# Altium PCB fpga.PcbDoc (part 2 of 11)
Units mm, origin at the board's own origin, x right, y up, seen from the top; angles counter-clockwise.
Board outline 210 x 210 mm, 2 copper layers (Top Layer, Bottom Layer), stack 1.591 mm thick; 639 components, 1839 nets, 4759 pads, 4016 vias.
Unrouted connection lines stored in the file: 10.
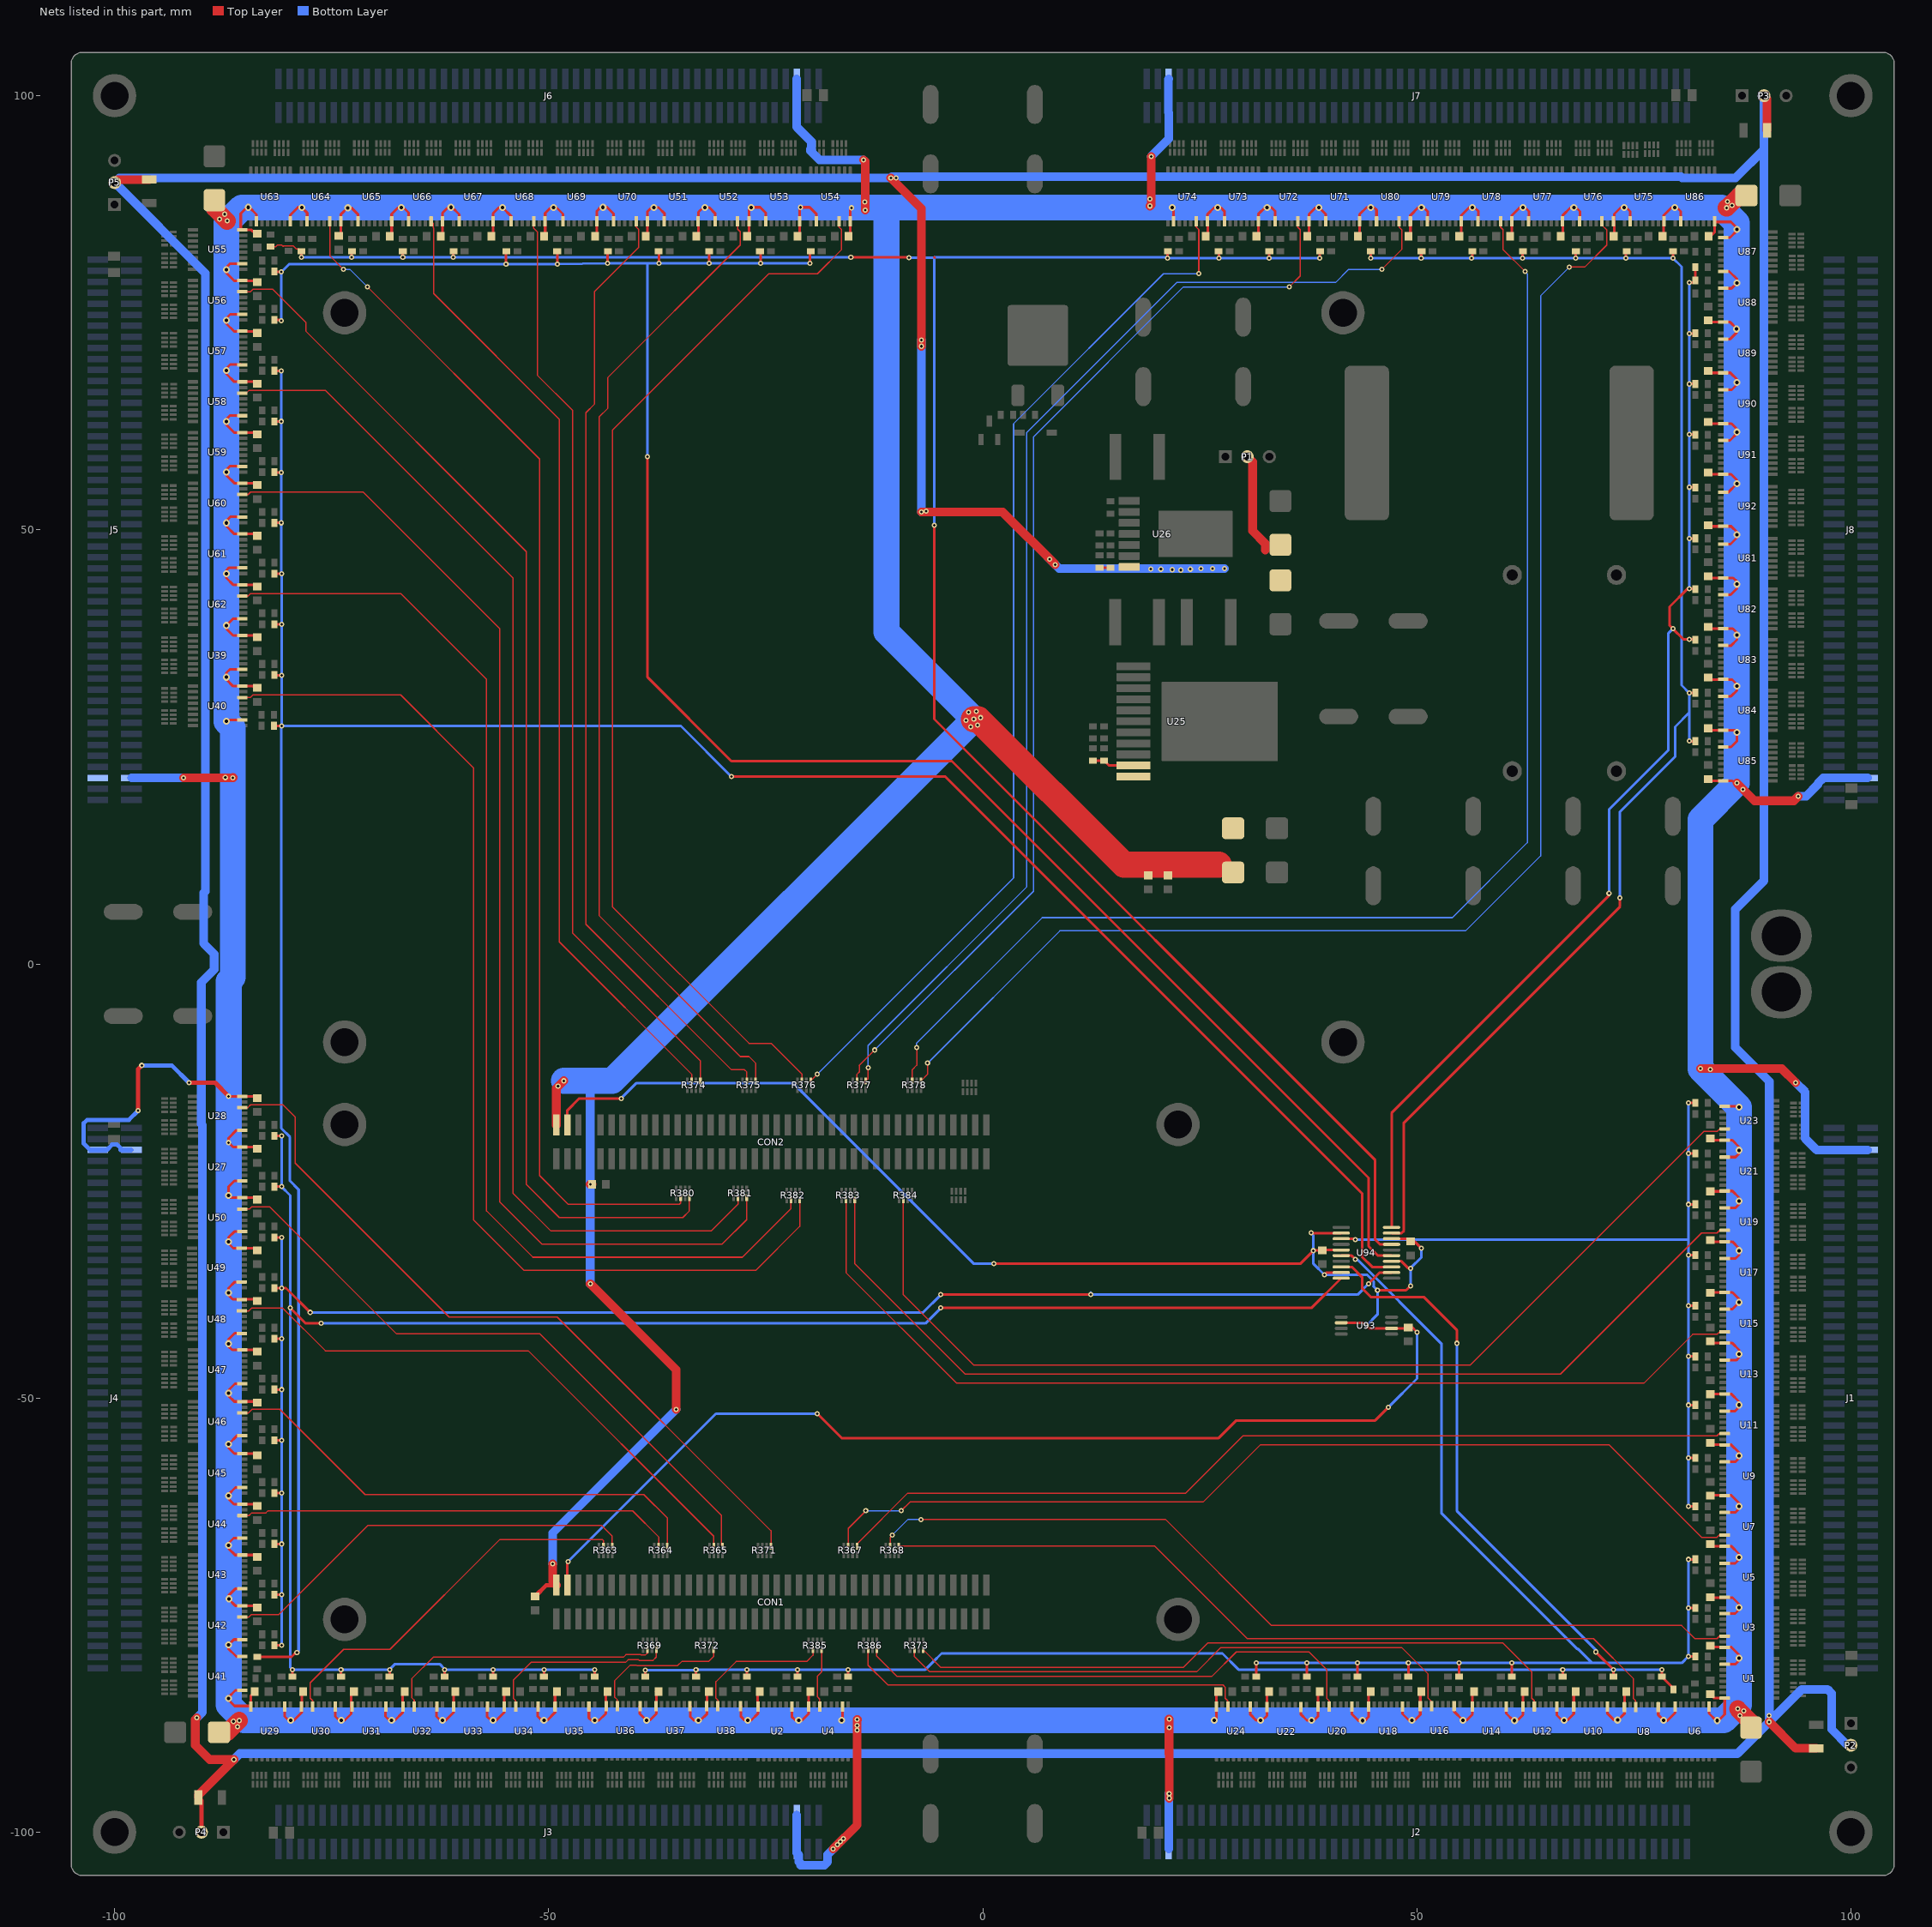
[diagram p2: the nets of this part, all layers, seen from the top]

## Part data
C1 C2 C3 C4 C5 C6 C7 C8 C9 C10 C11 C12 C13 C14 C15 C16 C17 C18 C19 C20 C21 C22 C23 C24 C25 C26 C27 C28 C29 C30 C31 C32 C33 C34 C35 C36 C37 C38 C39 C40 C41 C42 C43 C44 C45 C46 C47 C48 C49 C50 C51 C52 C53 C54 C55 C56 C57 C58 C59 C60 C61 C62 C63 C64 C65 C66 C67 C68 C69 C70 C71 C72 C73 C74 C75 C76 C77 C78 C79 C80 C81 C82 C83 C84 C85 C86 C87 C88 C89 C90 C115 C116 C135: library part C-0603-100n-50V, "Capacitor 100n 50V", Supplier Part Number 1=80-C0603C104K5RAUTO, Supplier 1=Mouser
C91 C92 C93 C94 C95 C96 C97 C98: library part C-0805-10u-25V, "3", Supplier Part Number 1=80-C0805C106K3P, Supplier 1=Mouser
C99 C100 C101 C102 C103 C104 C105 C106 C107 C108 C109 C110 C111 C112: library part CE-SMD-470u-25V, "electrolytic capacitor 470u 25V", Supplier Part Number 1=647-UWD1E471MCL1, Supplier 1=Mouser
C113 C114 C125 C126 C129 C132 C133 C134: library part C-TANT-100u-10V, "Capacitor Tantalum 100uF 10V", Supplier Part Number 1=80-T520C107M10ATE25, Supplier 1=Mouser
C117 C118 C119: library part C-2220-15u-100V, "Capacitor 15uF 100V", Supplier Part Number 1=810-C5750X7S2A156M, Supplier 1=Mouser
C120 C122 C123 C124: library part C-0603-22n-50V, "Capacitor 22nF 50V", Supplier Part Number 1=80-C0603C223K5RAC, Supplier 1=Mouser
C131 C137 C138 C139: library part C-1206-10u-50V, "Capacitor 10uF 50V", Supplier Part Number 1=810-C3216X5R1H106M, Supplier 1=Mouser
D1: library part Diode-Zener-12V, Supplier Part Number 1=863-MMSZ12T1G, Supplier 1=Mouser
F1 F2: library part FUSE-20x5, Supplier Part Number 1=693-0031.8201, Supplier 1=Mouser
J1 J2 J3 J4 J5 J6 J7 J8: library part PIN_HEADER_1.27_2x50
L1: "Power Inductor 180µH 10% SMD Toroid", Current=3.7A, Manufacturer 1="JW Miller A Bourns Company", Manufacturer Part Number 1=PM2110-181K-RC, Package / Case="1.200\" L x 1.000\" W x 0.530\" H", Supplier Part Number 1=M8769-ND, Tolerance=±10%, Ratings=3.7A, SCDType=spec, Supplier 1=Digi-Key
P1 P2 P3 P4 P5: "Header, 3-Pin", LatestRevisionDate=17-Jul-2002, LatestRevisionNote="Re-released for DXP Platform.", Publisher="Altium Limited"
Q2: library part Mosfet-N-Dpak
R1 R2 R3 R4 R5 R6 R7 R8 R9 R10 R11 R12 R13 R14 R15 R16 R17 R18 R19 R20 R21 R22 R23 R24 R25 R26 R27 R28 R29 R30 R31 R32 R33 R34 R35 R36 R37 R38 R39 R40 R41 R42 R43 R44 R45 R46 R47 R48 R49 R50 R51 R52 R53 R54 R55 R56 R57 R58 R59 R60 R61 R62 R63 R64 R65 R66 R67 R68 R69 R70 R71 R72 R73 R74 R75 R76 R77 R78 R79 R80 R81 R82 R83 R84 R85 R86 R87 R88 R89 R90 R91 R92 R93 R94 R95 R96 R97 R98 R99 R100 R101 R102 R103 R104 R105 R106 R107 R108 R109 R110 R111 R112 R113 R114 R115 R116 R117 R118 R119 R120 R121 R122 R123 R124 R125 R126 R127 R128 R129 R130 R131 R132 R133 R134 R135 R136 R137 R138 R139 R140 R141 R142 R143 R144 R145 R146 R147 R148 R149 R150 R151 R152 R153 R154 R155 R156 R157 R158 R159 R160 R161 R162 R163 R164 R165 R166 R167 R168 R169 R170 R171 R172 R173 R174 R175 R176 R177 R178 R179 R180 R362 R363 R364 R365 R367 R368 R369 R371 R372 R373 R374 R375 R376 R377 R378 R379 R380 R381 R382 R383 R384 R385 R386: library part R-4x33, "Resistor Array 4x33", Supplier Part Number 1=667-EXB-N8V330JX, Supplier 1=Mouser
R181 R182 R183 R184 R185 R186 R187 R188 R189 R190 R191 R192 R193 R194 R195 R196 R197 R198 R199 R200 R201 R202 R203 R204 R205 R206 R207 R208 R209 R210 R211 R212 R213 R214 R215 R216 R217 R218 R219 R220 R221 R222 R223 R224 R225 R226 R227 R228 R229 R230 R231 R232 R233 R234 R235 R236 R237 R238 R239 R240 R241 R242 R243 R244 R245 R246 R247 R248 R249 R250 R251 R252 R253 R254 R255 R256 R257 R258 R259 R260 R261 R262 R263 R264 R265 R266 R267 R268 R269 R270 R271 R272 R273 R274 R275 R276 R277 R278 R279 R280 R281 R282 R283 R284 R285 R286 R287 R288 R289 R290 R291 R292 R293 R294 R295 R296 R297 R298 R299 R300 R301 R302 R303 R304 R305 R306 R307 R308 R309 R310 R311 R312 R313 R314 R315 R316 R317 R318 R319 R320 R321 R322 R323 R324 R325 R326 R327 R328 R329 R330 R331 R332 R333 R334 R335 R336 R337 R338 R339 R340 R341 R342 R343 R344 R345 R346 R347 R348 R349 R350 R351 R352 R353 R354 R355 R356 R357 R358 R359 R360: library part R-0603-47, "Resistor 47", Supplier Part Number 1=71-CRCW060347R0FKEB, Supplier 1=Mouser
R361 R390: library part R-0603-100k, "Resistor 100k", Supplier Part Number 1=71-CRCW0603-100K-E3, Supplier 1=Mouser
R366 R370 R387 R388 R389: library part R-0603-1k, "Resistor 1k", Supplier Part Number 1=71-CRCW0603-1.0K-E3, Supplier 1=Mouser
U1 U2 U3 U4 U5 U6 U7 U8 U9 U10 U11 U12 U13 U14 U15 U16 U17 U18 U19 U20 U21 U22 U23 U24 U27 U28 U29 U30 U31 U32 U33 U34 U35 U36 U37 U38 U39 U40 U41 U42 U43 U44 U45 U46 U47 U48 U49 U50 U51 U52 U53 U54 U55 U56 U57 U58 U59 U60 U61 U62 U63 U64 U65 U66 U67 U68 U69 U70 U71 U72 U73 U74 U75 U76 U77 U78 U79 U80 U81 U82 U83 U84 U85 U86 U87 U88 U89 U90 U91 U92: library part CMP-0780-00192-3, "8-Bit Shift Registers With 3-State Output Registers, PW0016A, LARGE T&R", F @ Nom Voltage(Max)(Mhz)=28, Generic Part Number=SN74HC595, ICC @ Nom Voltage(Max)(mA)=0.08, Manufacturer="Texas Instruments", Operating Temperature Range(C)="-40 to 85", Rating=Military, tpd @ Nom Voltage(Max)(ns)=34, Voltage(Nom)(V)=6, 3-State Output=Yes, Bits=8, Code_JEDEC=MO-153, DatasheetVersion=SCLS041H, Input Type=CMOS, Output Drive (IOL/IOH)(Max)(mA)=7.8/-7.8, Output Type=CMOS, PackageReference=PW0016A, PackageVersion=http://www.ti.com/lit/ml/mpds361/mpds361.pdf, Technology Family=HC, VCC(Max)(V)=6, VCC(Min)(V)=2
U25: library part CMP-0069-02080-2, "10A SIMPLE SWITCHER® Power Module with 36V Maximum Input Voltage, 11 pin TO-PMOD, 32 Rail", Manufacturer="Texas Instruments", PackageTopMarking=NSUZXYTTE#*LMZ13610, PowerWise=N, ComponentLink1Description="Datasheet URL", ComponentLink1URL=http://www.ti.com/general/docs/lit/getliterature.tsp?genericPartNumber=LMZ13610&fileType=pdf, CompType=Switcher, PackageDescription="TO-PMOD, 15 x 15 x 5.9 mm Body, 11 Lead, 1.27 mm Pitch, Surface Mount", PackageReference=NDY0011A, PinCount=11, RoHS=Y
U26: library part CMP-0069-02044-2, "3A SIMPLE SWITCHER® Power Module with 42V Maximum Input for High Voltage Output, 7-pin TO-PMOD, Pb-Free, 250 Reel", Manufacturer="Texas Instruments", PackageTopMarking=NSUZXYTTE#*LMZ14203*HTZ, PowerWise=Y, ComponentLink1Description="Datasheet URL", ComponentLink1URL=http://www.ti.com/general/docs/lit/getliterature.tsp?genericPartNumber=LMZ14203H&fileType=pdf, CompType=Switcher, PackageDescription="TO-PMOD-7, 10.16 x 9.85 x 4.57 mm Body, 7 Lead, 1.27mm Pitch, Surface Mount", PackageReference=NDW0007A, PinCount=7, RoHS=Y

## Free pads (board coordinates)
  round 5 hole 3.2: 4(-100,-100) 4(-100,100) 4(100,-100) 4(100,100) 8(-73.5,75) 9(-73.5,-75.5) 9(-73.5,-18.5) 9(-73.5,-9) 9(22.5,-75.5) 9(22.5,-18.5) 10(41.5,-9) 11(41.5,75)
  oval 7x6 hole 4.5: 6(92,3.25) 7(92,-3.25)

## Via types
v1: diameter 0.6, hole 0.3, Top Layer to Bottom Layer, tented both sides, 3924 vias
v2: diameter 0.8, hole 0.4, Top Layer to Bottom Layer, tented both sides, 89 vias
v3: diameter 0.6, hole 0.3, Top Layer to Bottom Layer, 3 vias

## Nets (pads, with @x,y where several pads share a name; then routed paths per layer and width w, separated by ;. In a path a pad name is that pad's centre, name@x,y a point inside that pad or via, vN(x,y) a via of type N, cw(c..) or ccw(c..) an arc to the next point about the centre after c; other vN are vias at no path point)
3V3: C115.2 C116.2 C135.2 CON1.3 CON2.3 U93.2 U93.6 U94.2 U94.5 U94.9 U94.14 U94.18 | length 265.7
  Top Layer w0.3: CON1.3@-47.845,-71.55 -47.845,-68.927 v1(-47.752,-68.834) ; CON2.3@-47.845,-18.55 -47.845,-16.857 -46.482,-15.494 v1(-41.656,-15.494) ; v1(-19.05,-51.816) -16.256,-54.61 27.178,-54.61 29.21,-52.578 45.212,-52.578 v1(46.736,-51.054) ; v1(1.27,-34.544) 36.576,-34.544 v1(38.1,-33.02) 38.138,-32.982 C116.2@39.116,-32.982 39.149,-32.949 U94.5@41.296,-32.949 ; v1(37.846,-30.988) 37.857,-30.999 U94.2@41.296,-30.999 ; v1(39.37,-35.814) 39.635,-35.549 U94.9@41.296,-35.549 ; U93.2@41.296,-41.331 43.871,-41.331 v1(44.196,-41.656) 44.521,-41.981 U93.6@47.096,-41.981 48.913,-41.981 C115.2@49.022,-41.872 49.492,-41.872 v1(50.038,-42.418) ; v1(45.466,-37.592) 48.768,-37.592 v1(49.276,-37.084) ; U94.14@47.096,-34.249 48.219,-34.249 49.022,-35.052 v1(49.276,-35.052) ; U94.18@47.096,-31.649 48.959,-31.649 C135.2@49.276,-31.966 49.746,-31.966 v1(50.546,-32.766)
  Bottom Layer w0.3: v1(-47.752,-68.834) -30.734,-51.816 v1(-19.05,-51.816) ; v1(-41.656,-15.494) -39.878,-13.716 -21.844,-13.716 -1.016,-34.544 v1(1.27,-34.544) ; v1(37.846,-30.988) 38.1,-31.242 v1(38.1,-33.02) 38.1,-34.544 v1(39.37,-35.814) 44.283,-35.814 45.05,-36.581 45.05,-37.079 45.001,-37.127 v1(45.466,-37.592) 45.466,-40.386 v1(44.196,-41.656) ; v1(46.736,-51.054) 50.038,-47.752 v1(50.038,-42.418) ; v1(49.276,-37.084) v1(49.276,-35.052) 50.546,-33.782 v1(50.546,-32.766)
5V: C1.2 C2.2 C3.2 C4.2 C5.2 C6.2 C7.2 C8.2 C9.2 C10.2 C11.2 C12.2 C13.2 C14.2 C15.2 C16.2 C17.2 C18.2 C19.2 C20.2 C21.2 C22.2 C23.2 C24.2 C25.2 C26.2 C27.2 C28.2 C29.2 C30.2 C31.2 C32.2 C33.2 C34.2 C35.2 C36.2 C37.2 C38.2 C39.2 C40.2 C41.2 C42.2 C43.2 C44.2 C45.2 C46.2 C47.2 C48.2 C49.2 C50.2 C51.2 C52.2 C53.2 C54.2 C55.2 C56.2 C57.2 C58.2 C59.2 C60.2 C61.2 C62.2 C63.2 C64.2 C65.2 C66.2 C67.2 C68.2 C69.2 C70.2 C71.2 C72.2 C73.2 C74.2 C75.2 C76.2 C77.2 C78.2 C79.2 C80.2 C81.2 C82.2 C83.2 C84.2 C85.2 C86.2 C87.2 C88.2 C89.2 C90.2 C113.2 C114.2 C123.2 C129.2 C132.2 C133.2 C134.2 CON1.1 CON2.1 J1.5 J1.6 J2.5 J2.6 J3.5 J3.6 J4.5 J4.6 J5.5 J5.6 J6.5 J6.6 J7.5 J7.6 J8.5 J8.6 R387.2 U1.10 U1.16 U2.10 U2.16 U3.10 U3.16 U4.10 U4.16 U5.10 U5.16 U6.10 U6.16 U7.10 U7.16 U8.10 U8.16 U9.10 U9.16 U10.10 U10.16 U11.10 U11.16 U12.10 U12.16 U13.10 U13.16 U14.10 U14.16 U15.10 U15.16 U16.10 U16.16 U17.10 U17.16 U18.10 U18.16 U19.10 U19.16 U20.10 U20.16 U21.10 U21.16 U22.10 U22.16 U23.10 U23.16 U24.10 U24.16 U25.10 U25.11 U27.10 U27.16 U28.10 U28.16 U29.10 U29.16 U30.10 U30.16 U31.10 U31.16 U32.10 U32.16 U33.10 U33.16 U34.10 U34.16 U35.10 U35.16 U36.10 U36.16 U37.10 U37.16 U38.10 U38.16 U39.10 U39.16 U40.10 U40.16 U41.10 U41.16 U42.10 U42.16 U43.10 U43.16 U44.10 U44.16 U45.10 U45.16 U46.10 U46.16 U47.10 U47.16 U48.10 U48.16 U49.10 U49.16 U50.10 U50.16 U51.10 U51.16 U52.10 U52.16 U53.10 U53.16 U54.10 U54.16 U55.10 U55.16 U56.10 U56.16 U57.10 U57.16 U58.10 U58.16 U59.10 U59.16 U60.10 U60.16 U61.10 U61.16 U62.10 U62.16 U63.10 U63.16 U64.10 U64.16 U65.10 U65.16 U66.10 U66.16 U67.10 U67.16 U68.10 U68.16 U69.10 U69.16 U70.10 U70.16 U71.10 U71.16 U72.10 U72.16 U73.10 U73.16 U74.10 U74.16 U75.10 U75.16 U76.10 U76.16 U77.10 U77.16 U78.10 U78.16 U79.10 U79.16 U80.10 U80.16 U81.10 U81.16 U82.10 U82.16 U83.10 U83.16 U84.10 U84.16 U85.10 U85.16 U86.10 U86.16 U87.10 U87.16 U88.10 U88.16 U89.10 U89.16 U90.10 U90.16 U91.10 U91.16 U92.10 U92.16 | length 1662.7
  Top Layer w0.3: -86.893,-78.867 -85.993,-79.767 U41.16@-85.288,-79.767 ; v2(-86.893,-61.265) -86.893,-61.112 -86.08,-60.299 U45.10@-85.288,-60.299 ; v2(-86.893,-43.739) -86.893,-43.256 -86.156,-42.519 U48.10@-85.288,-42.519 ; v2(-86.868,-78.435) -86.247,-77.814 U42.10@-85.344,-77.814 ; v1(-86.868,-15.24) -86.857,-15.251 U28.16@-85.288,-15.251 -83.771,-15.251 C1.2@-83.566,-15.456 ; v2@-86.843,-61.646 -86.247,-62.241 -83.771,-62.241 C9.2@-83.566,-62.446 ; v2@-86.843,-44.069 -86.451,-44.461 -83.809,-44.461 C6.2@-83.566,-44.704 ; -86.715,28.093 U40.10@-85.47,28.093 ; U39.10@-85.47,33.935 -86.715,33.935 -87.122,33.528 v2(-87.122,33.02) -87.122,32.766 -86.349,31.993 -84.025,31.993 C90.2@-83.82,31.788 ; U62.10@-85.47,39.777 -86.334,39.777 v2(-87.122,38.989) -87.122,38.608 -86.349,37.835 -83.869,37.835 C81.2@-83.82,37.884 ; U61.10@-85.47,45.619 -86.842,45.619 -87.122,45.339 v2(-87.122,44.958) -87.122,44.45 -86.349,43.677 -84.025,43.677 C89.2@-83.82,43.472 ; U60.10@-85.47,51.503 -86.673,51.503 -87.122,51.054 v2(-87.122,50.8) -87.122,50.419 -86.222,49.519 -83.869,49.519 C88.2@-83.82,49.568 ; U59.10@-85.47,57.361 -86.673,57.361 -87.122,56.912 v2(-87.122,56.658) -87.122,56.277 -86.222,55.377 C87.2@-83.869,55.377 ; U58.10@-85.47,63.187 -86.673,63.187 -87.122,62.738 v2(-87.122,62.484) -87.122,62.103 -86.222,61.203 -83.869,61.203 C86.2@-83.82,61.252 ; U57.10@-85.47,69.045 -86.673,69.045 -87.122,68.596 v2(-87.122,68.342) -87.122,67.961 -86.222,67.061 C85.2@-83.869,67.061 ; U56.10@-85.47,74.829 -86.673,74.829 -87.122,74.38 v2(-87.122,74.126) -87.122,73.745 -86.243,72.866 -83.89,72.866 -83.869,72.845 C84.2@-83.82,72.936 ; U55.10@-85.47,80.671 -86.673,80.671 -87.122,80.222 v2(-87.122,79.968) -87.122,79.587 -86.222,78.687 C82.2@-83.869,78.687 ; U49.10@-85.344,-36.636 -86.166,-36.636 -86.868,-37.338 v2(-86.868,-37.871) -86.868,-38.151 -86.4,-38.619 -83.771,-38.619 C5.2@-83.566,-38.824 ; U41.10@-85.288,-83.667 -86.08,-83.667 -86.893,-84.48 v2(-86.893,-84.62) -86.893,-84.76 -86.183,-85.47 -84.317,-85.47 -84.317,-84.279 C67.2@-83.858,-83.82 ; U43.10@-85.288,-71.983 -86.105,-71.983 -86.843,-72.72 v2(-86.843,-73.127) -86.868,-73.152 -86.106,-73.914 -83.782,-73.914 C11.2@-83.566,-74.13 ; U44.10@-85.288,-66.141 -86.283,-66.141 -86.868,-66.726 v2(-86.868,-66.98) -86.868,-67.335 -86.12,-68.083 -83.771,-68.083 C10.2@-83.566,-68.288 ; U47.10@-85.288,-48.361 -86.131,-48.361 -86.868,-49.098 v2(-86.868,-49.454) -86.868,-49.759 -86.223,-50.404 -83.67,-50.404 C7.2@-83.566,-50.508 ; U50.10@-85.288,-30.835 -86.207,-30.835 -86.868,-31.496 v2(-86.868,-32.004) -86.868,-32.207 -86.339,-32.736 -83.812,-32.736 C4.2@-83.566,-32.982 ; U27.10@-85.288,-24.993 -86.207,-24.993 -86.868,-25.654 v2(-86.868,-26.67) -86.603,-26.935 -83.771,-26.935 C3.2@-83.566,-27.14 ; U28.10@-85.288,-19.151 -85.953,-19.151 -86.868,-20.066 v1(-86.868,-20.574) -86.349,-21.093 U27.16@-85.288,-21.093 -83.771,-21.093 C2.2@-83.566,-21.298 ; U46.10@-85.232,-54.304 -85.851,-54.304 v2(-86.868,-55.321) -86.868,-55.728 -86.197,-56.399 -83.771,-56.399 C8.2@-83.566,-56.604 ; C12.2@-83.82,84.112 -84.279,84.571 -85.47,84.571 -85.47,86.437 -84.76,87.147 v2(-84.62,87.147) -84.48,87.147 -83.667,86.334 U63.10@-83.667,85.542 ; U29.10@-80.417,-85.47 -80.417,-86.673 -79.968,-87.122 v2(-79.714,-87.122) -79.333,-87.122 -78.433,-86.222 C68.2@-78.433,-83.869 ; U63.16@-79.767,85.542 -79.767,86.247 -78.867,87.147 ; v2(-78.435,87.122) -77.814,86.501 U64.10@-77.814,85.598 ; U30.10@-74.575,-85.47 -74.575,-86.673 -74.126,-87.122 v2(-73.872,-87.122) -73.491,-87.122 -72.746,-86.377 -72.746,-84.024 -72.612,-83.89 -72.591,-83.869 C69.2@-72.682,-83.82 ; C27.2@-74.13,83.82 -73.914,84.036 -73.914,86.36 -73.152,87.122 v2(-73.127,87.097) -72.72,87.097 -71.983,86.359 U65.10@-71.983,85.542 ; U31.10@-68.791,-85.47 -68.791,-86.673 -68.342,-87.122 v2(-68.088,-87.122) -67.707,-87.122 -66.807,-86.222 C70.2@-66.807,-83.869 ; C28.2@-68.288,83.82 -68.083,84.025 -68.083,86.374 -67.335,87.122 v2(-66.98,87.122) -66.726,87.122 -66.141,86.537 U66.10@-66.141,85.542 ; U32.10@-62.933,-85.47 -62.933,-86.673 -62.484,-87.122 v2(-62.23,-87.122) -61.849,-87.122 -60.949,-86.222 -60.949,-83.869 C71.2@-60.998,-83.82 ; C29.2@-62.446,83.82 -62.241,84.025 -62.241,86.501 v2@-61.646,87.097 ; v2(-61.265,87.147) -61.112,87.147 -60.299,86.334 U67.10@-60.299,85.542 ; U33.10@-57.107,-85.47 -57.107,-86.673 -56.658,-87.122 v2(-56.404,-87.122) -56.023,-87.122 -55.123,-86.222 C72.2@-55.123,-83.869 ; C13.2@-56.604,83.82 -56.399,84.025 -56.399,86.451 -55.728,87.122 v2(-55.321,87.122) -54.304,86.105 U68.10@-54.304,85.486 ; U34.10@-51.249,-85.47 -51.249,-86.673 -50.8,-87.122 v2(-50.546,-87.122) -50.165,-87.122 -49.265,-86.222 -49.265,-83.869 C73.2@-49.314,-83.82 ; C14.2@-50.508,83.82 -50.404,83.924 -50.404,86.477 -49.759,87.122 v2(-49.454,87.122) -49.098,87.122 -48.361,86.385 U69.10@-48.361,85.542 ; U35.10@-45.365,-85.47 -45.365,-86.842 -45.085,-87.122 v2(-44.704,-87.122) -44.196,-87.122 -43.423,-86.349 -43.423,-84.025 C74.2@-43.218,-83.82 ; C15.2@-44.704,83.82 -44.461,84.063 -44.461,86.705 v2@-44.069,87.097 ; v2(-43.739,87.147) -43.256,87.147 -42.519,86.41 U70.10@-42.519,85.542 ; U36.10@-39.523,-85.47 -39.523,-86.334 v2(-38.735,-87.122) -38.354,-87.122 -37.581,-86.349 -37.581,-83.869 C75.2@-37.63,-83.82 ; C16.2@-38.824,83.82 -38.619,84.025 -38.619,86.654 -38.151,87.122 v2(-37.871,87.122) -37.338,87.122 -36.636,86.42 U51.10@-36.636,85.598 ; U37.10@-33.681,-85.47 -33.681,-86.715 -33.274,-87.122 v2(-32.766,-87.122) -32.512,-87.122 -31.739,-86.349 -31.739,-84.025 C76.2@-31.534,-83.82 ; C17.2@-32.982,83.82 -32.736,84.066 -32.736,86.593 -32.207,87.122 v2(-32.004,87.122) -31.496,87.122 -30.835,86.461 U52.10@-30.835,85.542 ; U38.10@-27.839,-85.47 -27.839,-86.715 -27.432,-87.122 v2(-27.051,-87.122) -26.67,-87.122 -25.897,-86.349 -25.897,-85.47 -25.946,-85.421 C77.2@-25.946,-83.82 ; C18.2@-27.14,83.82 -26.935,84.025 -26.935,86.857 v2(-26.67,87.122) -26.645,87.147 -25.629,87.147 -24.993,86.512 U53.10@-24.993,85.542 ; U2.10@-21.997,-85.542 -21.997,-86.715 -21.59,-87.122 v2(-21.209,-87.122) -20.828,-87.122 -20.055,-86.349 -20.055,-84.025 C78.2@-19.85,-83.82 ; C19.2@-21.336,83.82 -21.093,84.063 U53.16@-21.093,85.542 -21.093,87.213 -21.057,87.249 -21.006,87.198 v1(-21.006,87.147) -19.939,87.147 -19.151,86.359 U54.10@-19.151,85.542 ; v2@-16.155,-86.969 U4.10@-16.155,-85.47 ; C20.2@-15.456,83.82 -15.251,84.025 U54.16@-15.251,85.542 -15.251,86.959 v1(-15.113,87.097) ; C123.2@12.7,23.43 R387.2@13.97,23.43 14.54,22.86 U25.10@17.355,22.86 ; U74.10@21.997,85.542 21.997,86.715 ; C21.2@25.946,83.82 25.946,85.421 25.897,85.47 25.897,86.349 26.67,87.122 v2(27.051,87.122) 27.432,87.122 27.839,86.715 U73.10@27.839,85.47 ; v2(26.67,-87.122) 26.935,-86.857 U24.16@26.935,-85.542 26.935,-84.025 C30.2@27.14,-83.82 ; U24.10@30.835,-85.542 30.835,-86.461 31.496,-87.122 v2(32.004,-87.122) 32.207,-87.122 32.736,-86.593 U22.16@32.736,-85.598 32.736,-84.066 C31.2@32.982,-83.82 ; C22.2@31.534,83.82 31.739,84.025 31.739,86.349 32.512,87.122 v2(32.766,87.122) 33.274,87.122 33.681,86.715 U72.10@33.681,85.47 ; U22.10@36.636,-85.598 36.636,-86.42 37.338,-87.122 v2(37.871,-87.122) 38.151,-87.122 38.619,-86.654 U20.16@38.619,-85.542 38.619,-84.025 C32.2@38.824,-83.82 ; C23.2@37.63,83.82 37.581,83.869 37.581,86.349 38.354,87.122 v2(38.735,87.122) 39.523,86.334 U71.10@39.523,85.47 ; U20.10@42.519,-85.542 42.519,-86.41 43.256,-87.147 v2(43.739,-87.147) ; C24.2@43.218,83.82 43.423,84.025 43.423,86.349 44.196,87.122 v2(44.704,87.122) 45.085,87.122 45.365,86.842 U80.10@45.365,85.47 ; v2@44.069,-87.097 44.461,-86.705 U18.16@44.461,-85.542 44.461,-84.063 C33.2@44.704,-83.82 ; U18.10@48.361,-85.542 48.361,-86.385 49.098,-87.122 v2(49.454,-87.122) 49.759,-87.122 50.404,-86.477 U16.16@50.404,-85.486 50.404,-83.924 C34.2@50.508,-83.82 ; C25.2@49.314,83.82 49.265,83.869 49.265,86.222 50.165,87.122 v2(50.546,87.122) 50.8,87.122 51.249,86.673 U79.10@51.249,85.47 ; U16.10@54.304,-85.486 54.304,-86.105 v2(55.321,-87.122) 55.728,-87.122 56.399,-86.451 U14.16@56.399,-85.542 56.399,-84.025 C35.2@56.604,-83.82 ; C26.2@55.123,83.869 55.123,86.222 56.023,87.122 v2(56.404,87.122) 56.658,87.122 57.107,86.673 U78.10@57.107,85.47 ; U14.10@60.299,-85.542 60.299,-86.334 61.112,-87.147 v2(61.265,-87.147) ; C51.2@60.998,83.82 60.949,83.869 60.949,86.222 61.849,87.122 v2(62.23,87.122) 62.484,87.122 62.933,86.673 U77.10@62.933,85.47 ; v2@61.646,-87.097 62.241,-86.501 U12.16@62.241,-85.542 62.241,-84.025 C36.2@62.446,-83.82 ; U12.10@66.141,-85.542 66.141,-86.537 66.726,-87.122 v2(66.98,-87.122) 67.335,-87.122 68.083,-86.374 U10.16@68.083,-85.542 68.083,-84.025 C37.2@68.288,-83.82 ; C52.2@66.807,83.869 66.807,86.222 67.707,87.122 v2(68.088,87.122) 68.342,87.122 68.791,86.673 U76.10@68.791,85.47 ; U10.10@71.983,-85.542 71.983,-86.359 72.72,-87.097 v2(73.127,-87.097) 73.152,-87.122 73.914,-86.36 U8.16@73.914,-85.598 73.914,-84.036 C38.2@74.13,-83.82 ; C53.2@72.682,83.82 72.591,83.869 72.612,83.89 72.746,84.024 72.746,86.377 73.491,87.122 v2(73.872,87.122) 74.126,87.122 74.575,86.673 U75.10@74.575,85.47 ; U8.10@77.814,-85.598 77.814,-86.501 v2(78.435,-87.122) ; C54.2@78.433,83.869 78.433,86.222 79.333,87.122 v2(79.714,87.122) 79.968,87.122 80.417,86.673 U86.10@80.417,85.47 ; 78.867,-87.147 79.767,-86.247 U6.16@79.767,-85.542 ; C65.2@83.566,21.298 83.771,21.093 86.349,21.093 86.614,20.828 v1(86.868,20.828) ; C64.2@83.566,27.14 83.771,26.935 86.603,26.935 v2(86.868,26.67) 86.868,25.654 86.207,24.993 U85.10@85.288,24.993 ; C63.2@83.566,32.982 83.812,32.736 86.339,32.736 86.868,32.207 v2(86.868,32.004) 86.868,31.496 86.207,30.835 U84.10@85.288,30.835 ; C62.2@83.566,38.824 83.771,38.619 86.4,38.619 86.868,38.151 v2(86.868,37.871) 86.868,37.338 86.166,36.636 U83.10@85.344,36.636 ; C61.2@83.566,44.704 83.809,44.461 86.451,44.461 v2@86.843,44.069 ; C60.2@83.566,50.508 83.67,50.404 86.223,50.404 86.868,49.759 v2(86.868,49.454) 86.868,49.098 86.131,48.361 U81.10@85.288,48.361 ; C59.2@83.566,56.604 83.771,56.399 86.197,56.399 86.868,55.728 v2(86.868,55.321) 85.851,54.304 U92.10@85.232,54.304 ; C58.2@83.566,62.446 83.771,62.241 86.247,62.241 v2@86.843,61.646 ; C57.2@83.566,68.288 83.771,68.083 86.12,68.083 86.868,67.335 v2(86.868,66.98) 86.868,66.726 86.283,66.141 U90.10@85.288,66.141 ; C56.2@83.566,74.13 83.782,73.914 86.106,73.914 86.868,73.152 v2(86.843,73.127) 86.843,72.72 86.105,71.983 U89.10@85.288,71.983 ; U6.10@83.667,-85.542 83.667,-86.334 84.48,-87.147 v2(84.62,-87.147) 84.76,-87.147 85.47,-86.437 U1.16@85.47,-84.571 84.279,-84.571 C39.2@83.82,-84.112 ; C41.2@83.82,-72.936 83.869,-72.845 83.89,-72.866 84.024,-73 86.377,-73 87.122,-73.745 v2(87.122,-74.126) 87.122,-74.38 86.673,-74.829 U3.10@85.47,-74.829 ; C43.2@83.82,-61.252 83.869,-61.203 86.222,-61.203 87.122,-62.103 v2(87.122,-62.484) 87.122,-62.738 86.673,-63.187 U7.10@85.47,-63.187 ; C45.2@83.82,-49.568 83.869,-49.519 U13.16@85.47,-49.519 86.222,-49.519 87.122,-50.419 v2(87.122,-50.8) 87.122,-51.054 86.673,-51.503 U11.10@85.47,-51.503 ; C46.2@83.82,-43.472 84.025,-43.677 U15.16@85.47,-43.677 86.349,-43.677 87.122,-44.45 v2(87.122,-44.958) 87.122,-45.339 86.842,-45.619 U13.10@85.47,-45.619 ; C47.2@83.82,-37.884 83.869,-37.835 U17.16@85.47,-37.835 86.349,-37.835 87.122,-38.608 v2(87.122,-38.989) 86.334,-39.777 U15.10@85.47,-39.777 ; C48.2@83.82,-31.788 84.025,-31.993 U19.16@85.47,-31.993 86.349,-31.993 87.122,-32.766 v2(87.122,-33.02) 87.122,-33.528 86.715,-33.935 U17.10@85.47,-33.935 ; C49.2@83.82,-26.2 85.421,-26.2 U21.16@85.47,-26.151 86.349,-26.151 87.122,-26.924 v2(87.122,-27.305) 87.122,-27.686 86.715,-28.093 U19.10@85.47,-28.093 ; C50.2@83.82,-20.104 84.025,-20.309 U23.16@85.47,-20.309 86.349,-20.309 87.122,-21.082 v2(87.122,-21.463) 87.122,-21.844 86.715,-22.251 U21.10@85.47,-22.251 ; C55.2@83.858,83.82 84.317,84.279 84.317,85.47 86.183,85.47 86.893,84.76 v2(86.893,84.62) 86.893,84.48 86.08,83.667 U87.10@85.288,83.667 ; C40.2@83.869,-78.687 86.222,-78.687 87.122,-79.587 v2(87.122,-79.968) 87.122,-80.222 86.673,-80.671 U1.10@85.47,-80.671 ; C42.2@83.869,-67.061 86.222,-67.061 87.122,-67.961 v2(87.122,-68.342) 87.122,-68.596 86.673,-69.045 U5.10@85.47,-69.045 ; C44.2@83.869,-55.377 86.222,-55.377 87.122,-56.277 v2(87.122,-56.658) 87.122,-56.912 86.673,-57.361 U9.10@85.47,-57.361 ; U82.10@85.288,42.519 86.156,42.519 86.893,43.256 v2(86.893,43.739) ; U91.10@85.288,60.299 86.08,60.299 86.893,61.112 v2(86.893,61.265) ; U87.16@85.288,79.767 85.993,79.767 86.893,78.867 ; U88.10@85.344,77.814 86.247,77.814 v2(86.868,78.435) ; U23.10@85.47,-16.409 86.969,-16.409 87.122,-16.256 v2(87.122,-16.51)